# Altium PCB GE21_M1_pku_f100.PcbDoc (part 9 of 19) (continued)
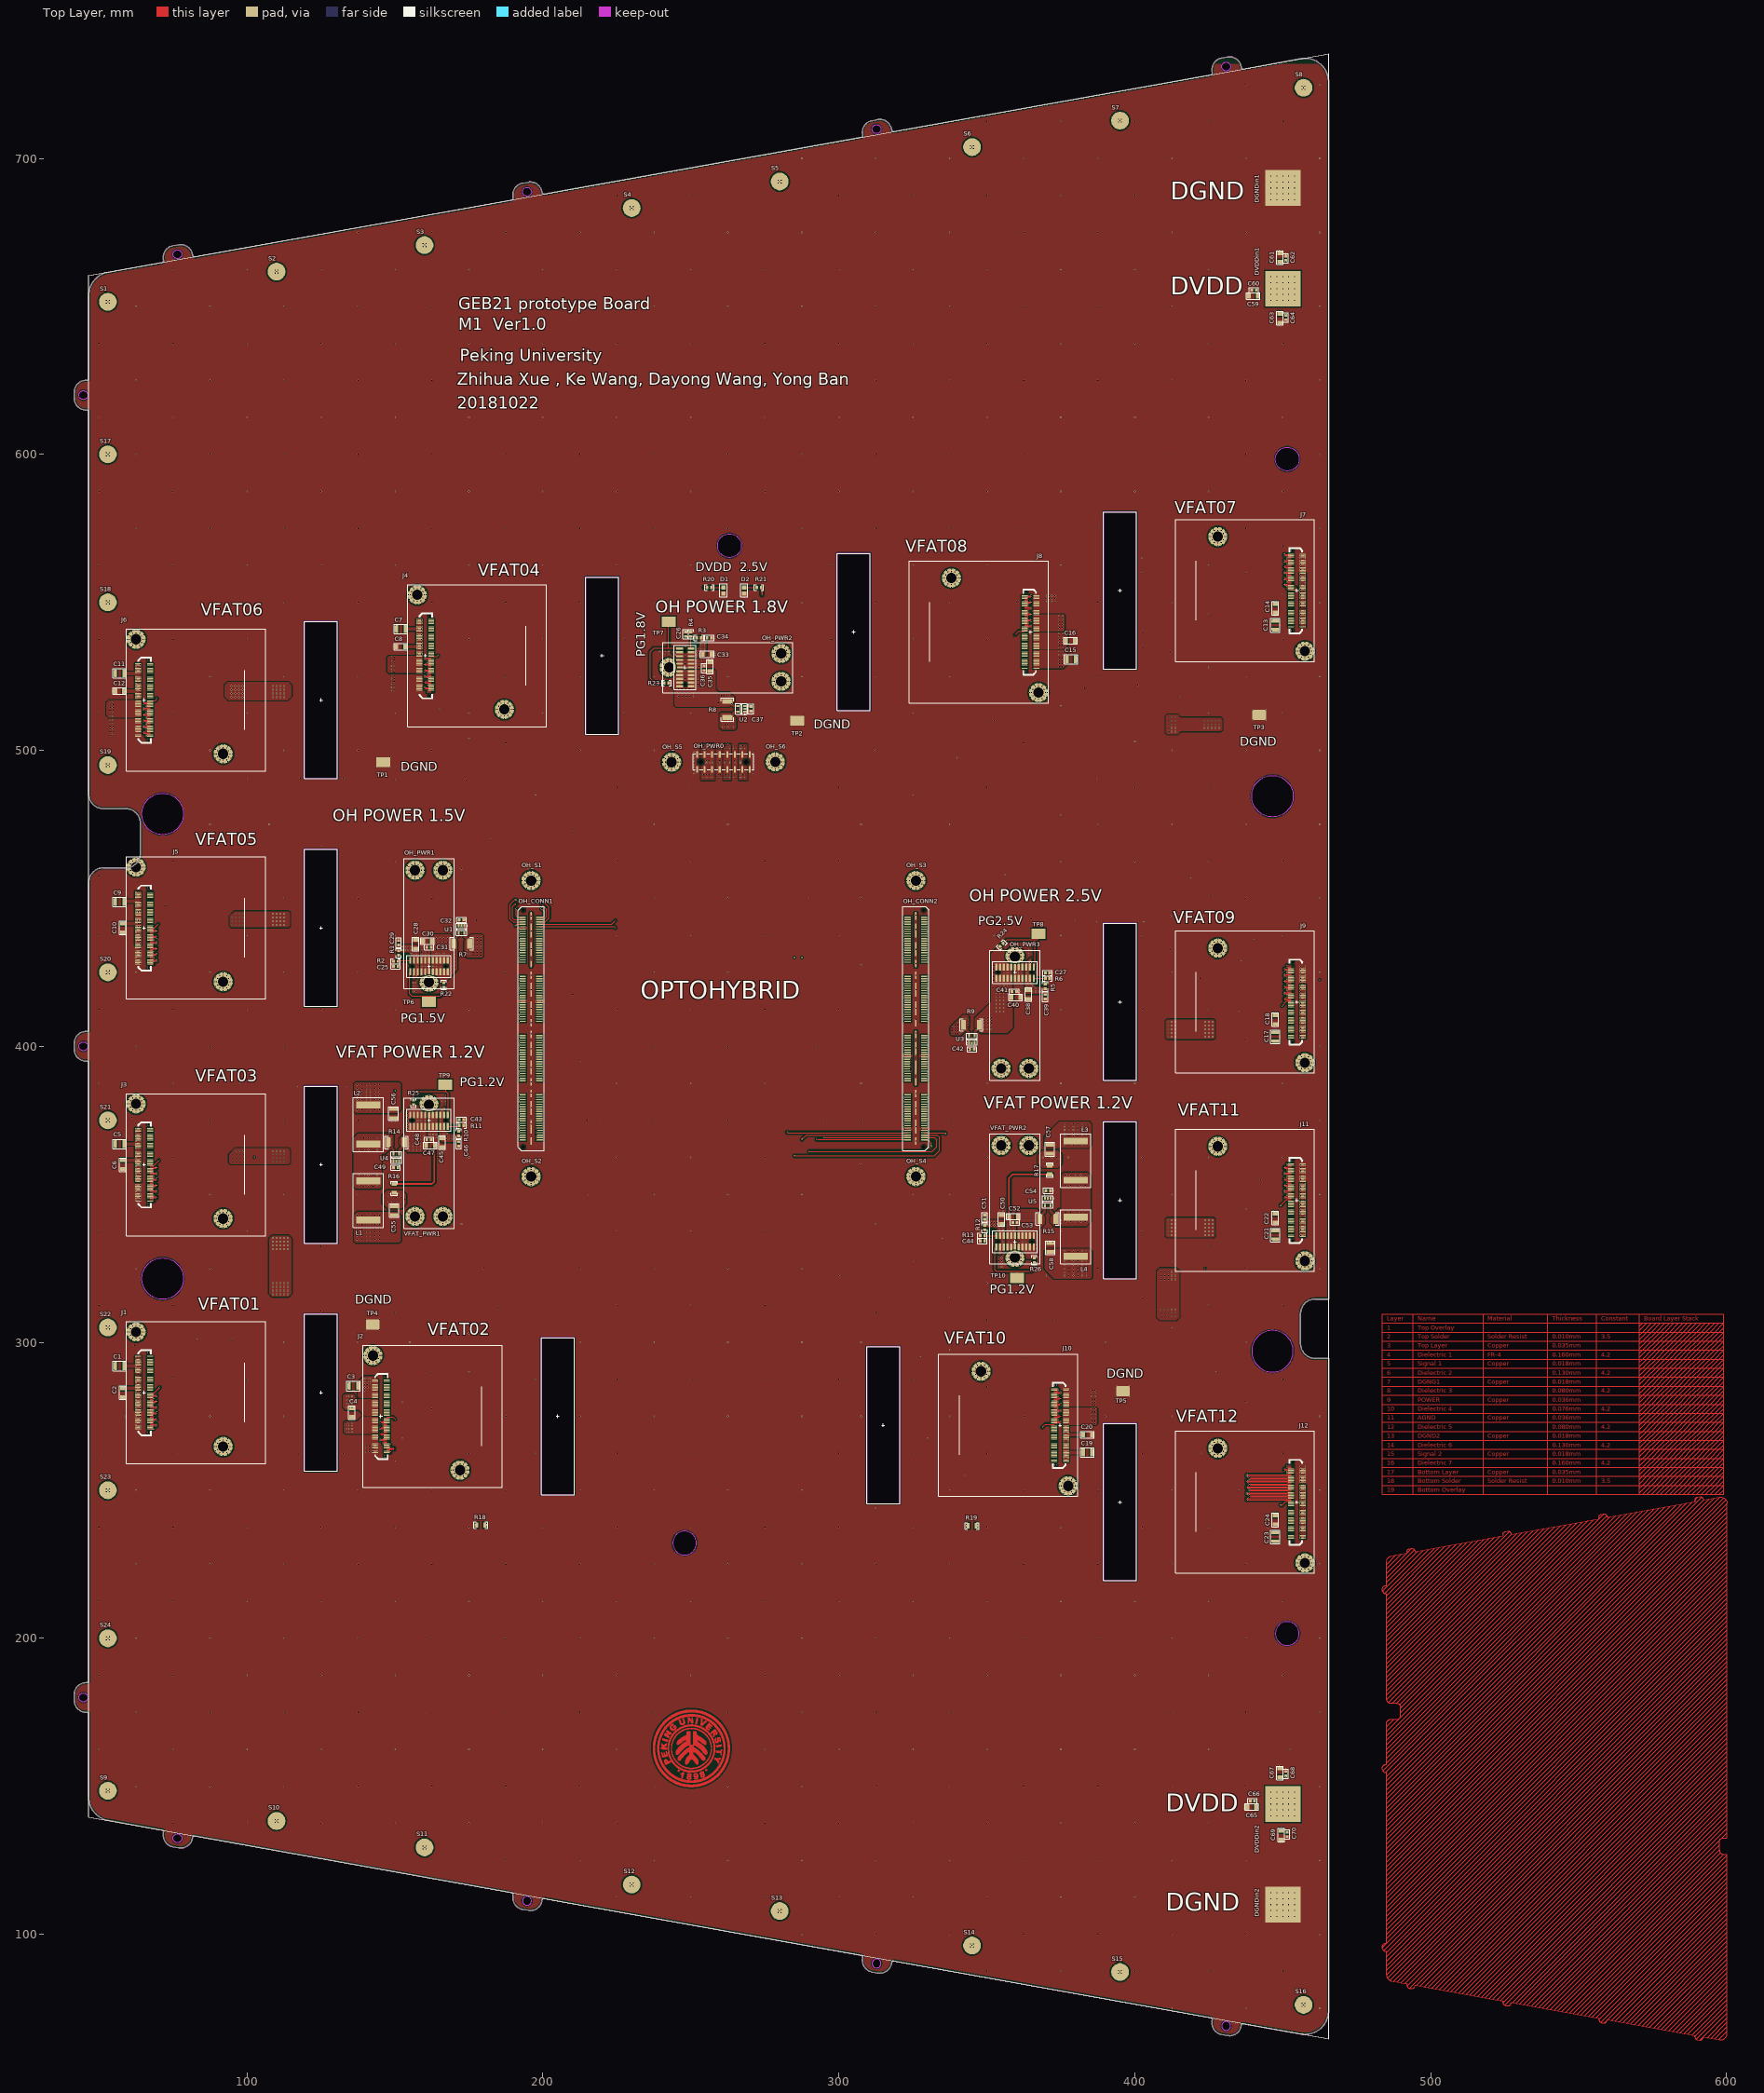
[diagram p0: Top Layer view]
## Nets (pads, with @x,y where several pads share a name; then routed paths per layer and width w, separated by ;. In a path a pad name is that pad's centre, name@x,y a point inside that pad or via, vN(x,y) a via of type N, cw(c..) or ccw(c..) an arc to the next point about the centre after c; other vN are vias at no path point) (continued)
  Top Layer w0.115: v5(437.75,248.7) cw(c438.052,248.398) 438.052,248.825 451.625,248.825 451.7,248.75 J12.62@452.75,248.75
  Signal 2 w0.115: v5(437.75,248.7) cw(c438.052,248.398) 438.052,248.825 442.96,248.825 ccw(c442.96,251.715) 445.85,251.715 445.85,262.948 ccw(c442.96,262.948) 445.004,264.991 ; 445.004,264.991 394.491,315.504 ccw(c392.448,313.46) 392.448,316.35 349.702,316.35 cw(c349.702,318.89) 347.906,317.094 317.744,347.256 cw(c319.54,349.052) 317,349.052 317,373.948 cw(c319.54,373.948) 317.744,375.744 318,376 cw(c319.509,374.491) 319.509,376.625 321.457,376.625 ; 321.457,376.625 cw(c321.457,375.857) v6(322,376.4) ccw(c321.457,375.857) 321.457,376.625
  other v4: 437.68,248.7 437.82,248.7
J12D3_N: J12.68 OH_CONN2.27 | length 230.9
  Top Layer w0.115: v5(438.75,250.3) ccw(c439.052,250.602) 439.052,250.175 451.625,250.175 451.7,250.25 J12.68@452.75,250.25
  Signal 2 w0.115: v6(322,378.8) cw(c321.457,379.343) 321.457,378.575 319.75,378.575 ccw(c319.75,375.75) 317.753,377.747 316.496,376.491 ccw(c318.54,374.448) 315.65,374.448 315.65,348.552 ccw(c318.54,348.552) 316.496,346.509 347.159,315.846 ccw(c349.202,317.89) 349.202,315 391.948,315 cw(c391.948,312.46) 393.744,314.256 443.756,264.244 cw(c441.96,262.448) 444.5,262.448 444.5,252.715 cw(c441.96,252.715) 441.96,250.175 439.052,250.175 cw(c439.052,250.602) v5(438.75,250.3)
  other v4: 438.68,250.3 438.82,250.3
J12D3_P: J12.66 OH_CONN2.25 | length 230.9
  Top Layer w0.115: v5(438.75,249.7) cw(c439.052,249.398) 439.052,249.825 451.625,249.825 451.7,249.75 J12.66@452.75,249.75
  Signal 2 w0.115: v6(322,378) ccw(c321.457,377.457) 321.457,378.225 319.75,378.225 ccw(c319.75,375.75) 318,377.5 316.744,376.244 ccw(c318.54,374.448) 316,374.448 316,348.552 ccw(c318.54,348.552) 316.744,346.756 347.406,316.094 ccw(c349.202,317.89) 349.202,315.35 391.948,315.35 cw(c391.948,312.46) 393.991,314.504 444.004,264.491 ; v5(438.75,249.7) cw(c439.052,249.398) 439.052,249.825 441.96,249.825 ccw(c441.96,252.715) 444.85,252.715 444.85,262.448 ccw(c441.96,262.448) 444.004,264.491
  other v4: 438.68,249.7 438.82,249.7
J12D4_N: J12.72 OH_CONN2.31 | length 232.8
  Top Layer w0.115: v5(437.75,251.3) ccw(c438.052,251.602) 438.052,251.175 451.625,251.175 451.7,251.25 J12.72@452.75,251.25
  Signal 2 w0.115: v6(322,380.4) cw(c321.457,380.943) 321.457,380.175 319.877,380.175 ccw(c319.877,377.285) 317.834,379.329 315.496,376.991 ccw(c317.54,374.948) 314.65,374.948 314.65,348.052 ccw(c317.54,348.052) 315.496,346.009 346.659,314.846 ; 346.659,314.846 ccw(c348.702,316.89) 348.702,314 391.448,314 cw(c391.448,311.46) 393.244,313.256 442.756,263.744 cw(c440.96,261.948) 443.5,261.948 443.5,253.715 cw(c440.96,253.715) 440.96,251.175 438.052,251.175 cw(c438.052,251.602) v5(437.75,251.3)
  other v4: 437.68,251.3 437.82,251.3
J12D4_P: J12.70 OH_CONN2.29 | length 232.8
  Top Layer w0.115: v5(437.75,250.7) cw(c438.052,250.398) 438.052,250.825 451.625,250.825 451.7,250.75 J12.70@452.75,250.75
  Signal 2 w0.115: v6(322,379.6) ccw(c321.457,379.057) 321.457,379.825 319.877,379.825 ccw(c319.877,377.285) 318.081,379.081 315.744,376.744 ccw(c317.54,374.948) 315,374.948 315,348.052 ccw(c317.54,348.052) 315.744,346.256 346.906,315.094 ccw(c348.702,316.89) 348.702,314.35 391.448,314.35 cw(c391.448,311.46) 393.491,313.504 443.004,263.991 cw(c440.96,261.948) 443.85,261.948 443.85,253.715 cw(c440.96,253.715) 440.96,250.825 438.052,250.825 ccw(c438.052,250.398) v5(437.75,250.7)
  other v4: 437.68,250.7 437.82,250.7
J12D5_N: J12.76 OH_CONN2.35 | length 230.8
  Top Layer w0.115: v5(438.75,252.3) ccw(c439.052,252.602) 439.052,252.175 451.625,252.175 451.7,252.25 J12.76@452.75,252.25
  Signal 2 w0.115: 317.934,380.929 314.496,377.491 ccw(c316.54,375.448) 313.65,375.448 313.65,347.552 ccw(c316.54,347.552) 314.496,345.509 346.159,313.846 ccw(c348.202,315.89) 348.202,313 390.948,313 cw(c390.948,310.46) 392.744,312.256 441.756,263.244 cw(c439.96,261.448) 442.5,261.448 442.5,254.715 cw(c439.96,254.715) 439.96,252.175 439.052,252.175 cw(c439.052,252.602) v5(438.75,252.3) ; 317.934,380.929 cw(c319.977,378.885) 319.977,381.775 321.457,381.775 ccw(c321.457,382.543) v6(322,382)
  other v4: 438.68,252.3 438.82,252.3
J12D5_P: J12.74 OH_CONN2.33 | length 230.8
  Top Layer w0.115: v5(438.75,251.7) cw(c439.052,251.398) 439.052,251.825 451.625,251.825 451.7,251.75 J12.74@452.75,251.75
  Signal 2 w0.115: v6(322,381.2) ccw(c321.457,380.657) 321.457,381.425 319.977,381.425 ccw(c319.977,378.885) 318.181,380.681 314.744,377.244 ccw(c316.54,375.448) 314,375.448 314,347.552 ccw(c316.54,347.552) 314.744,345.756 346.406,314.094 ccw(c348.202,315.89) 348.202,313.35 390.948,313.35 cw(c390.948,310.46) 392.991,312.504 442.004,263.491 cw(c439.96,261.448) 442.85,261.448 442.85,254.715 cw(c439.96,254.715) 439.96,251.825 439.052,251.825 ccw(c439.052,251.398) v5(438.75,251.7)
  other v4: 438.68,251.7 438.82,251.7
J12D6_N: J12.80 OH_CONN2.39 | length 232.7
  Top Layer w0.115: v5(437.75,253.3) ccw(c438.052,253.602) 438.052,253.175 451.625,253.175 451.7,253.25 J12.80@452.75,253.25
  Signal 2 w0.115: v6(322,383.6) cw(c321.457,384.143) 321.457,383.375 320.077,383.375 ccw(c320.077,380.485) 318.034,382.529 313.496,377.991 ccw(c315.54,375.948) 312.65,375.948 312.65,347.052 ccw(c315.54,347.052) 313.496,345.009 345.659,312.846 ccw(c347.702,314.89) 347.702,312 390.448,312 cw(c390.448,309.46) 392.244,311.256 440.756,262.744 cw(c438.96,260.948) 441.5,260.948 441.5,255.715 cw(c438.96,255.715) 438.96,253.175 438.052,253.175 cw(c438.052,253.602) v5(437.75,253.3)
  other v4: 437.68,253.3 437.82,253.3
J12D6_P: J12.78 OH_CONN2.37 | length 232.7
  Top Layer w0.115: v5(437.75,252.7) cw(c438.052,252.398) 438.052,252.825 451.625,252.825 451.7,252.75 J12.78@452.75,252.75
  Signal 2 w0.115: v6(322,382.8) ccw(c321.457,382.257) 321.457,383.025 320.077,383.025 ccw(c320.077,380.485) 318.281,382.281 313.744,377.744 ccw(c315.54,375.948) 313,375.948 313,347.052 ccw(c315.54,347.052) 313.744,345.256 345.906,313.094 ccw(c347.702,314.89) 347.702,312.35 390.448,312.35 cw(c390.448,309.46) 392.491,311.504 441.004,262.991 cw(c438.96,260.948) 441.85,260.948 441.85,255.715 cw(c438.96,255.715) 438.96,252.825 438.052,252.825 ccw(c438.052,252.398) v5(437.75,252.7)
  other v4: 437.68,252.7 437.82,252.7
J12D7_N: J12.84 OH_CONN2.43 | length 236.1
  Top Layer w0.115: v5(438.75,254.3) 438.787,254.263 ccw(c439,254.477) 439,254.175 451.625,254.175 451.7,254.25 J12.84@452.75,254.25
  Signal 2 w0.115: v6(322,389.2) cw(c321.457,389.743) 321.457,388.975 318.677,388.975 ccw(c318.677,386.085) 316.634,388.129 312.496,383.991 ccw(c314.54,381.948) 311.65,381.948 311.65,346.552 ccw(c314.54,346.552) 312.496,344.509 345.159,311.846 ccw(c347.202,313.89) 347.202,311 389.948,311 cw(c389.948,308.46) 391.744,310.256 439.756,262.244 cw(c437.96,260.448) 440.5,260.448 440.5,255.425 cw(c439.25,255.425) 439.25,254.175 439.052,254.175 cw(c439.052,254.602) v5(438.75,254.3)
  other v4: 438.68,254.3 438.82,254.3
J12D7_P: J12.82 OH_CONN2.41 | length 236.1
  Top Layer w0.115: v5(438.75,253.7) 438.787,253.737 cw(c439,253.523) 439,253.825 451.625,253.825 451.7,253.75 J12.82@452.75,253.75
  Signal 2 w0.115: v6(322,388.4) ccw(c321.457,387.857) 321.457,388.625 318.677,388.625 ccw(c318.677,386.085) 316.881,387.881 312.744,383.744 ccw(c314.54,381.948) 312,381.948 312,346.552 ccw(c314.54,346.552) 312.744,344.756 345.406,312.094 ccw(c347.202,313.89) 347.202,311.35 389.948,311.35 cw(c389.948,308.46) 391.991,310.504 440.004,262.491 cw(c437.96,260.448) 440.85,260.448 440.85,255.425 cw(c439.25,255.425) 439.25,253.825 439.052,253.825 ccw(c439.052,253.398) v5(438.75,253.7)
  other v4: 438.68,253.7 438.82,253.7
J12D8_N: J12.88 OH_CONN2.47 | length 238.2
  Top Layer w0.115: v5(437.75,255.3) ccw(c438.052,255.602) 438.052,255.175 451.625,255.175 451.7,255.25 J12.88@452.75,255.25
  Signal 2 w0.115: v6(322,390.8) cw(c321.457,391.343) 321.457,390.575 318.777,390.575 ccw(c318.777,387.685) 316.734,389.729 311.496,384.491 ccw(c313.54,382.448) 310.65,382.448 310.65,346.052 ccw(c313.54,346.052) 311.496,344.009 344.659,310.846 ccw(c346.702,312.89) 346.702,310 389.448,310 cw(c389.448,307.46) 391.244,309.256 438.756,261.744 cw(c436.96,259.948) 439.5,259.948 439.5,256.175 cw(c438.5,256.175) 438.5,255.175 438.052,255.175 cw(c438.052,255.602) v5(437.75,255.3)
  other v4: 437.68,255.3 437.82,255.3
J12D8_P: J12.86 OH_CONN2.45 | length 238.2
  Top Layer w0.115: v5(437.75,254.7) cw(c438.052,254.398) 438.052,254.825 451.625,254.825 451.7,254.75 J12.86@452.75,254.75
  Signal 2 w0.115: v6(322,390) ccw(c321.457,389.457) 321.457,390.225 318.777,390.225 ccw(c318.777,387.685) 316.981,389.481 311.744,384.244 ccw(c313.54,382.448) 311,382.448 311,346.052 ccw(c313.54,346.052) 311.744,344.256 344.906,311.094 ccw(c346.702,312.89) 346.702,310.35 389.448,310.35 cw(c389.448,307.46) 391.491,309.504 439.004,261.991 cw(c436.96,259.948) 439.85,259.948 439.85,256.175 cw(c438.5,256.175) 438.5,254.825 438.052,254.825 ccw(c438.052,254.398) v5(437.75,254.7)
  other v4: 437.68,254.7 437.82,254.7
J12Reset: J12.52 OH_CONN2.1 | length 302.2
  Top Layer w0.2: v1(292.5,368.5) 323.035,368.5 OH_CONN2.1@323.135,368.4 ; v1(449.25,245) 449.75,245 451,246.25 J12.52@452.75,246.25
  Signal 1 w0.2: v1(292.5,368.5) 292.5,334.5 330.5,296.5 330.5,270.5 385.5,215.5 411,215.5 440.5,245 v1(449.25,245)
J12RXD_N: J12.96 OH_CONN2.55 | length 234.6
  Top Layer w0.115: v5(450.5,257.3) ccw(c450.802,257.602) 450.802,257.175 451.625,257.175 451.7,257.25 J12.96@452.75,257.25
  Signal 1 w0.115: v6@324.25,394 ccw(c324.793,394.543) 324.793,393.775 326.575,393.775 cw(c326.575,392.5) 327.85,392.5 327.85,387.5 ccw(c328.85,387.5) 328.85,386.5 331.053,386.5 cw(c331.053,383.61) 333.096,385.654 334.568,384.182 ccw(c334.715,384.329) 334.862,384.182 334.941,384.262 cw(c335.336,383.867) 335.731,384.262 335.866,384.126 cw(c335.472,383.731) 336.03,383.731 cw(c335.472,383.731) 335.866,383.337 335.787,383.257 ccw(c335.934,383.11) 335.787,382.963 339.006,379.744 ccw(c340.802,381.54) 340.802,379 403.298,379 cw(c403.298,376.11) 405.341,378.154 432.004,351.491 cw(c429.96,349.448) 432.85,349.448 432.85,273.702 ccw(c435.39,273.702) 433.594,271.906 447.581,257.919 ccw(c449.377,259.715) 449.377,257.175 450.198,257.175 ccw(c450.198,257.602) v5(450.5,257.3)
  other v4: 450.43,257.3 450.57,257.3
  other v6: 324.25,394
J12RXD_P: J12.94 OH_CONN2.53 | length 234.6
  Top Layer w0.115: v5(450.5,256.7) cw(c450.802,256.398) 450.802,256.825 451.625,256.825 451.7,256.75 J12.94@452.75,256.75
  Signal 1 w0.115: v6(324.25,393.2) cw(c324.793,392.657) 324.793,393.425 326.575,393.425 cw(c326.575,392.5) 327.5,392.5 327.5,387.5 ccw(c328.85,387.5) 328.85,386.15 331.053,386.15 cw(c331.053,383.61) 332.849,385.406 334.32,383.935 ccw(c334.715,384.329) 335.11,383.935 335.189,384.014 cw(c335.336,383.867) 335.483,384.014 335.619,383.879 cw(c335.472,383.731) 335.68,383.731 cw(c335.472,383.731) 335.619,383.584 335.54,383.505 ccw(c335.934,383.11) 335.54,382.715 338.759,379.496 ccw(c340.802,381.54) 340.802,378.65 403.298,378.65 cw(c403.298,376.11) 405.094,377.906 431.756,351.244 cw(c429.96,349.448) 432.5,349.448 432.5,273.702 ccw(c435.39,273.702) 433.346,271.659 447.334,257.671 ccw(c449.377,259.715) 449.377,256.825 450.198,256.825 cw(c450.198,256.398) v5(450.5,256.7)
  other v4: 450.43,256.7 450.57,256.7
J12Strobe_N: J12.56 OH_CONN2.15 | length 231.9
  Top Layer w0.115: v5(437.75,247.3) ccw(c438.052,247.602) 438.052,247.175 451.625,247.175 451.7,247.25 J12.56@452.75,247.25
  Signal 2 w0.115: v6(322,374) cw(c321.457,374.543) 321.457,373.775 321,373.775 ccw(c321,372.037) 319.771,373.266 319.496,372.991 ccw(c321.54,370.948) 318.65,370.948 318.65,350.052 ccw(c321.54,350.052) 319.496,348.009 348.659,318.846 ccw(c350.702,320.89) 350.702,318 393.448,318 cw(c393.448,315.46) 395.244,317.256 446.756,265.744 cw(c444.96,263.948) 447.5,263.948 447.5,249.715 cw(c444.96,249.715) 444.96,247.175 438.052,247.175 cw(c438.052,247.602) v5(437.75,247.3)
  other v4: 437.68,247.3 437.82,247.3
J12Strobe_P: J12.54 OH_CONN2.13 | length 231.9
  Top Layer w0.115: v5(437.75,246.7) cw(c438.052,246.398) 438.052,246.825 451.625,246.825 451.7,246.75 J12.54@452.75,246.75
  Signal 2 w0.115: v6(322,373.2) ccw(c321.457,372.657) 321.457,373.425 321,373.425 ccw(c321,372.037) 320.018,373.018 319.744,372.744 ccw(c321.54,370.948) 319,370.948 319,350.052 ccw(c321.54,350.052) 319.744,348.256 348.906,319.094 ccw(c350.702,320.89) 350.702,318.35 393.448,318.35 cw(c393.448,315.46) 395.491,317.504 447.004,265.991 cw(c444.96,263.948) 447.85,263.948 447.85,249.715 cw(c444.96,249.715) 444.96,246.825 438.052,246.825 ccw(c438.052,246.398) v5(437.75,246.7)
  other v4: 437.68,246.7 437.82,246.7
J12TXD_N: J12.92 OH_CONN2.51 | length 232.2
  Top Layer w0.25: v5(451.5,256.3) 451.55,256.25 J12.92@452.75,256.25
  Signal 1 w0.115: v6(324.25,392.4) ccw(c324.793,392.943) 324.793,392.175 325.675,392.175 cw(c325.675,391) 326.85,391 326.85,387.5 ccw(c328.85,387.5) 328.85,385.5 329.803,385.5 cw(c329.803,382.61) 331.846,384.654 337.756,378.744 ccw(c339.552,380.54) 339.552,378 402.298,378 cw(c402.298,375.11) 404.341,377.154 431.004,350.491 cw(c428.96,348.448) 431.85,348.448 431.85,273.202 ccw(c434.39,273.202) 432.594,271.406 447.081,256.919 ccw(c448.877,258.715) 448.877,256.175 451.198,256.175 ccw(c451.198,256.602) v5(451.5,256.3)
  other v4: 451.43,256.3
J12TXD_P: J12.90 OH_CONN2.49 | length 232.2
  Top Layer w0.25: v5(451.5,255.7) 451.55,255.75 J12.90@452.75,255.75
  Signal 1 w0.115: v6(324.25,391.6) cw(c324.793,391.057) 324.793,391.825 325.675,391.825 cw(c325.675,391) 326.5,391 326.5,387.5 ccw(c328.85,387.5) 328.85,385.15 329.803,385.15 cw(c329.803,382.61) 331.599,384.406 337.509,378.496 ccw(c339.552,380.54) 339.552,377.65 402.298,377.65 cw(c402.298,375.11) 404.094,376.906 430.756,350.244 cw(c428.96,348.448) 431.5,348.448 431.5,273.202 ccw(c434.39,273.202) 432.346,271.159 446.834,256.671 ccw(c448.877,258.715) 448.877,255.825 451.198,255.825 cw(c451.198,255.398) v5(451.5,255.7)
  other v4: 451.43,255.7
Monitor1: OH_CONN1.7 U2.2 | length 132.5
  Top Layer w0.2: OH_CONN1.7@198.865,441.2 223.2,441.2 v1(224.5,442.5)
  Signal 1 w0.2: v1(224.5,442.5) 236.25,454.25 236.25,511.5 238.75,514 v1(267.7,514)
Monitor2: OH_CONN1.8 U1.2 | length 21.6
  Top Layer w0.2: v1(190.75,440.75) 191.2,441.2 OH_CONN1.8@193.135,441.2
  Signal 1 w0.2: v1(172.5,440.1) 172.5,440 173,439.5 180.5,439.5 181.75,440.75 v1(190.75,440.75)
Monitor3: OH_CONN1.9 U3.2 | length 172.7
  Top Layer w0.2: OH_CONN1.9@198.865,440.4 224.1,440.4 v1(224.5,440)
  Signal 1 w0.2: v1(224.5,440) 238.5,426 326.5,426 327.5,425 327.5,408.5 329,407 336,407 339,404 344.25,404 345,403.25 v1(345,401.75)
Monitor4: OH_CONN2.7 U4.2 | length 200.3
  Top Layer w0.2: v1(282.5,371) 282.7,370.8 OH_CONN2.7@323.135,370.8
  Signal 1 w0.2: v1(150.5,361.8) 150.5,362.25 150.75,362.5 172.25,362.5 175.5,365.75 175.5,384.75 176.75,386 261.25,386 276.25,371 v1(282.5,371)
Monitor5: OH_CONN2.8 U5.2 | length 52.3
  Top Layer w0.2: OH_CONN2.8@328.865,370.8 335.7,370.8 v1(336,370.5)
  Signal 1 w0.2: v1(336,370.5) 353.25,353.25 369.5,353.25 370.5,352.25 v1(370.5,349.25)
NetC25_1: C25.1 OH_PWR1.12 R1.2 R2.1 | length 8.1
  Top Layer w0.2: C25.1@151,427 151.25,427.25 R2.1@151.25,429 ; R2.1@151,428.75 R2.1@151.25,429 ; R1.2@151.25,430.75 R2.1@151.25,429 ; OH_PWR1.12@155.15,429.032 151.282,429.032 R2.1@151.25,429
NetC26_1: C26.1 OH_PWR2.12 R3.2 R4.1 | length 8.1
  Top Layer w0.2: C26.1@248.25,538.5 R4.1@250,538.5 ; OH_PWR2.12@250.032,534.35 250,534.382 R4.1@250,538.5 ; R3.2@252,538 251.5,538.5 R4.1@250,538.5
NetC27_1: C27.1 OH_PWR3.12 R5.2 R6.1 | length 7.5
  Top Layer w0.2: OH_PWR3.12@365.85,422.968 R6.1@369.5,422.968 ; R5.2@369.5,421 R6.1@369.5,422.968 ; C27.1@369.75,424.75 369.5,424.5 R6.1@369.5,422.968
NetC43_1: C43.1 R10.2 R11.1 VFAT_PWR1.12 | length 7.8
  Top Layer w0.2: VFAT_PWR1.12@167.85,372.968 171.468,372.968 R11.1@171.5,373 ; R10.2@171.5,371.25 R11.1@171.5,373 ; C43.1@171.75,375.25 171.5,375 R11.1@171.5,373
NetC44_1: C44.1 R12.2 R13.1 VFAT_PWR2.12 | length 7.9
  Top Layer w0.2: C44.1@349.25,334.25 349.5,334.5 R13.1@349.5,336.032 ; R13.1@349.25,336.25 349.468,336.032 R13.1@349.5,336.032 ; R13.1@349.5,336.25 R12.2@349.5,338.25 ; VFAT_PWR2.12@353.15,336.032 R13.1@349.5,336.032
NetD1_2: D1.2 R20.2 | length 4
  Top Layer w0.254: R20.2@257,555 D1.2@261,555
NetD2_2: D2.2 R21.2 | length 4.2
  Top Layer w0.254: D2.2@268,555 R21.2@272.25,555
OH1V5: C30.1 C31.1 OH_PWR1.7 OH_PWR1.8 OH_PWR1.9 OH_PWR1.10 OH_PWR1.11 OH_PWR1.18 OH_PWR1.19 OH_PWR1.20 OH_PWR1.21 OH_PWR1.22 R7.1 R22.2 U1.4
  other v3: 168.75,424.75 168.75,426 170,426 162.9,427.1 164.1,427.1 165.3,427.1 168.75,427.25 170,427.25 168.75,428.5 170,428.5 168.75,429.75 170,429.75 168.75,431 170,431 164,431.5 165.2,431.5 166.5,431.5 168.75,432.25 170,432.25 164,432.75 165.25,432.75 166.5,432.75 167.75,432.75 164,434 165.25,434 166.5,434 167.75,434 164,435.25 165.25,435.25 166.5,435.25 167.75,435.25 164,436.5 165.25,436.5 166.5,436.5 167.75,436.5 170.5,436.5
OH1V8: C35.1 C36.1 OH_PWR2.7 OH_PWR2.8 OH_PWR2.9 OH_PWR2.10 OH_PWR2.11 OH_PWR2.18 OH_PWR2.19 OH_PWR2.20 OH_PWR2.21 OH_PWR2.22 R8.1 R23.2 U2.4
  other v3: 263.75,515.75 259.25,516 259.25,517.25 245.75,518.25 247,518.25 248.25,518.25 249.5,518.25 250.75,518.25 259.25,518.5 260.25,518.5 261.25,518.5 262.25,518.5 263.25,518.5 245.75,519.5 247,519.5 248.25,519.5 249.5,519.5 250.75,519.5 245.75,520.75 247,520.75 248.25,520.75 249.5,520.75 250.75,520.75 252.5,521.2 253.7,521.2 252.5,522.4 253.7,522.4 252.5,523.6 253.7,523.6 248.1,524.2 252.5,524.8 253.7,524.8 248.1,525.4 252.5,526 253.7,526 248.1,526.6
OH2V5: C40.1 C41.1 OH_PWR3.7 OH_PWR3.8 OH_PWR3.9 OH_PWR3.10 OH_PWR3.11 OH_PWR3.18 OH_PWR3.19 OH_PWR3.20 OH_PWR3.21 OH_PWR3.22 R9.1 R24.2 U3.4
  other v3: 346.5,405.5 349,405.75 350.25,405.75 351.5,405.75 349,406.75 350.25,406.75 351.5,406.75 349,407.75 350.25,407.75 351.5,407.75 349,408.75 350.25,408.75 351.5,408.75 349,409.75 350.25,409.75 351.5,409.75 353.25,411.75 354.5,411.75 355.75,411.75 353.25,413 354.5,413 355.75,413 353.25,414.25 354.5,414.25 355.75,414.25 353.25,415.5 354.5,415.5 355.75,415.5 353.25,416.75 354.5,416.75 355.75,416.75 353.25,418 354.5,418 355.75,418 357,418 353.25,419.25 354.5,419.25 355.75,419.25 357,419.25 352.25,419.75 354.5,420.5 355.8,420.5 357,420.5 352.25,421 352.25,422.25 352.25,423.5 352.25,424.75 355.7,424.9 356.9,424.9 358.1,424.9 352.25,426 352.25,427.25
PG1V5: OH_PWR1.1 R22.1 TP6.1 | length 23.8
  Top Layer w0.254: OH_PWR1.1@155.15,425.218 155,425.068 155,417.75 155.75,417 161.5,417 ; TP6.1@161.5,415 161.5,417 ; R22.1@166.5,420 166.5,418 165.5,417 161.5,417
PG1V8: OH_PWR2.1 R23.1 TP7.1 | length 33.6
  Top Layer w0.254: R23.1@241,522.75 237.75,522.75 236.25,524.25 236.25,533.25 237.5,534.5 242.5,534.5 ; TP7.1@242.5,543.5 242.5,534.5 ; OH_PWR2.1@245.868,534.25 245.618,534.5 242.5,534.5
PG2V5: OH_PWR3.1 R24.1 TP8.1 | length 23.4
  Top Layer w0.254: R24.1@355.625,434.875 356.75,436 366.25,436 ; OH_PWR3.1@365.85,426.782 366.25,427.182 366.25,436 ; TP8.1@367.5,438 367.5,436.5 367,436 366.25,436
PGVFAT1: R25.1 TP9.1 VFAT_PWR1.1 | length 24.1
  Top Layer w0.2: R25.1@156.25,381.75 156.25,383.75 157.25,384.75 167.25,384.75 ; TP9.1@167,387 167.25,386.75 167.25,384.75 ; VFAT_PWR1.1@167.85,376.782 168,376.932 168,384 167.25,384.75
PGVFAT2: R26.1 TP10.1 VFAT_PWR2.1 | length 26.2
  Top Layer w0.254: VFAT_PWR2.1@353.15,332.218 352.75,331.818 352.75,324.5 353.25,324 360.25,324 ; TP10.1@360.25,321.75 360.25,324 ; R26.1@366,327 366,324.75 365.25,324 360.25,324
PWR1V5: OH_CONN1.161 OH_CONN1.162 OH_CONN1.163 OH_CONN1.164 OH_PWR0.11 OH_PWR0.12 OH_PWR0.13 OH_PWR0.14 R7.2 U1.5
  other v3: 196,429 176.5,430.75 177.75,430.75 179,430.75 174.25,431.25 175.25,431.25 176.5,431.75 177.75,431.75 179,431.75 174.25,432.25 175.25,432.25 176.5,432.75 177.75,432.75 179,432.75 196,433 176.5,433.75 177.75,433.75 179,433.75 176.5,434.75 177.75,434.75 179,434.75 176.5,435.75 177.75,435.75 179,435.75 174.5,436.25 176.5,436.75 177.75,436.75 179,436.75 196,439 196,444 254.25,490.75 255.25,490.75 256.25,490.75 257.25,490.75 254.25,491.75 255.25,491.75 256.25,491.75 257.25,491.75 255.25,495.75 256.25,495.75 257.25,495.75 255.25,496.5 256.25,496.5 257.25,496.5 254.25,500.5 255.25,500.5 256.25,500.5 257.25,500.5 254.25,501.5 255.25,501.5 256.25,501.5 257.25,501.5
PWR1V8: OH_CONN2.173 OH_CONN2.174 OH_CONN2.175 OH_CONN2.176 OH_PWR0.7 OH_PWR0.8 R8.2 U2.5
  other v3: 326,428 326,432.75 326,439.5 326,444.25 261.5,490.75 262.25,490.75 263,490.75 261.5,491.75 262.25,491.75 263,491.75 261.5,495.75 263,495.75 261.5,496.5 263,496.5 261.5,500.5 262.25,500.5 263,500.5 261.5,501.5 262.25,501.5 263,501.5 260.5,507.75 261.5,507.75 262.5,507.75 263.5,507.75 264.5,507.75 260.5,508.75 261.5,508.75 262.5,508.75 263.5,508.75 264.5,508.75 260.5,509.75 261.5,509.75 262.5,509.75 263.5,509.75 264.5,509.75 263.925,512.05
PWR2V5: OH_CONN2.165 OH_CONN2.166 OH_CONN2.167 OH_CONN2.168 OH_PWR0.3 OH_PWR0.4 R9.2 R21.1 U3.5 | length 56.3
  Top Layer w0.508: R21.1@273.75,555 274,554.75 v1(274,552.5)
  Signal 1 w0.508: v3(267.5,501.5) 267.5,504.25 274,510.75 v1(274,552.5)
  other v3: 326,397 326,399.5 326,402 338.25,404.25 339.25,404.25 340.25,404.25 326,404.5 341.25,404.75 338.25,405.25 339.25,405.25 340.25,405.25 343,405.75 338.25,406.25 339.25,406.25 340.25,406.25 343.75,406.5 339.25,407.25 340.25,407.25 343.75,407.5 340.25,408.25 343.75,408.5 341.75,409.5 342.75,409.5 343.75,409.5 266.75,490.75 267.5,490.75 268.25,490.75 266.75,491.75 267.5,491.75 268.25,491.75 266.75,495.75 266.75,496.5 266.75,500.5 267.5,500.5 268.25,500.5 266.75,501.5 268.25,501.5
SHIELD_NET: R18.1 R19.1 S1.1 S2.1 S3.1 S4.1 S5.1 S6.1 S7.1 S8.1 S9.1 S10.1 S11.1 S12.1 S13.1 S14.1 S15.1 S16.1 S17.1 S18.1 S19.1 S20.1 S21.1 S22.1 S23.1 S24.1
  other v1: 343,237.5 181,237.75 343,238.5 181,238.75
  other v8: 456.5,75.646 457.5,75.646 456.5,76.646 457.5,76.646 394.5,86.746 395.5,86.746 394.5,87.746 395.5,87.746 344.5,95.697 345.5,95.697 344.5,96.697 345.5,96.697 279.5,107.334 280.5,107.334 279.5,108.334 280.5,108.334 229.5,116.286 230.5,116.286 229.5,117.286 230.5,117.286 159.5,128.818 160.5,128.818 159.5,129.818 160.5,129.818 109.5,137.769 110.5,137.769 109.5,138.769 110.5,138.769 52.5,147.973 53.5,147.973 52.5,148.973 53.5,148.973 52.5,199.5 53.5,199.5 52.5,200.5 53.5,200.5 52.5,249.5 53.5,249.5 52.5,250.5 53.5,250.5 52.5,304.5 53.5,304.5 52.5,305.5 53.5,305.5 52.5,374.5 53.5,374.5 52.5,375.5 53.5,375.5 52.5,424.5 53.5,424.5 52.5,425.5 53.5,425.5 52.5,494.5 53.5,494.5 52.5,495.5 53.5,495.5 52.5,549.5 53.5,549.5 52.5,550.5 53.5,550.5 52.5,599.5 53.5,599.5 52.5,600.5 53.5,600.5 52.5,651.027 53.5,651.027 52.5,652.027 53.5,652.027 109.5,661.231 110.5,661.231 109.5,662.231 110.5,662.231 159.5,670.182 160.5,670.182 159.5,671.182 160.5,671.182 229.5,682.714 230.5,682.714 229.5,683.714 230.5,683.714 279.5,691.666 280.5,691.666 279.5,692.666 280.5,692.666 344.5,703.303 345.5,703.303 344.5,704.303 345.5,704.303 394.5,712.254 395.5,712.254 394.5,713.254 395.5,713.254 456.5,723.354 457.5,723.354 456.5,724.354 457.5,724.354
VFAT1: C47.1 C48.1 R14.1 R25.2 U4.4 VFAT_PWR1.7 VFAT_PWR1.8 VFAT_PWR1.9 VFAT_PWR1.10 VFAT_PWR1.11 VFAT_PWR1.18 VFAT_PWR1.19 VFAT_PWR1.20 VFAT_PWR1.21 VFAT_PWR1.22
  other v3: 154.75,365 156,365 157.25,365 158.5,365 152.5,366 154.75,366.25 156,366.25 157.25,366.25 158.5,366.25 154.75,367.5 156,367.5 157.25,367.5 158.5,367.5 154.75,368.75 156,368.75 157.25,368.75 158.5,368.75 159.75,368.75 154.75,370 156,370 157.25,370 158.5,370 159.75,370 154.75,371.25 156,371.25 157.25,371.25 158.5,371.25 159.75,371.25 154.25,372.25 154.25,373.5 154.25,374.75 157.7,374.9 158.9,374.9 160.1,374.9 154.25,376 154.25,377.25
VFAT2: C52.1 C53.1 R15.1 R26.2 U5.4 VFAT_PWR2.7 VFAT_PWR2.8 VFAT_PWR2.9 VFAT_PWR2.10 VFAT_PWR2.11 VFAT_PWR2.18 VFAT_PWR2.19 VFAT_PWR2.20 VFAT_PWR2.21 VFAT_PWR2.22
  other v3: 366.75,331.75 366.75,333 360.9,334.1 362.1,334.1 363.3,334.1 366.75,334.25 366.75,335.5 366.75,336.75 361.25,337.75 362.5,337.75 363.75,337.75 365,337.75 366.25,337.75 361.25,339 362.5,339 363.75,339 365,339 366.25,339 361.25,340.25 362.5,340.25 363.75,340.25 365,340.25 366.25,340.25 362.5,341.5 363.75,341.5 365,341.5 366.25,341.5 362.5,342.75 363.75,342.75 365,342.75 366.25,342.75 368.75,343.25 362.5,344 363.75,344 365,344 366.25,344
VFATAGND1: C1.2 C3.2 C5.2 C7.2 C9.2 C11.2 C55.2 J1.51 J1.53 J1.55 J1.57 J1.59 J1.61 J1.63 J1.65 J1.67 J1.69 J1.71 J1.73 J2.51 J2.53 J2.55 J2.57 J2.59 J2.61 J2.63 J2.65 J2.67 J2.69 J2.71 J2.73 J3.51 J3.53 J3.55 J3.57 J3.59 J3.61 J3.63 J3.65 J3.67 J3.69 J3.71 J3.73 J4.51 J4.53 J4.55 J4.57 J4.59 J4.61 J4.63 J4.65 J4.67 J4.69 J4.71 J4.73 J5.51 J5.53 J5.55 J5.57 J5.59 J5.61 J5.63 J5.65 J5.67 J5.69 J5.71 J5.73 J6.51 J6.53 J6.55 J6.57 J6.59 J6.61 J6.63 J6.65 J6.67 J6.69 J6.71 J6.73 R16.2 R18.2
  other v1: 177,237.75 177,238.75 133.5,269.75 134.5,269.75 135.5,269.75 133.5,270.75 134.5,270.75 135.5,270.75 133.5,271.75 134.5,271.75 135.5,271.75 133.5,272.75 134.5,272.75 135.5,272.75 62.5,277.5 64,277.5 62.5,278.5 64,278.5 62.5,279.5 64,279.5 62.5,280.5 64,280.5 62.5,281.5 64,281.5 62.5,282.5 64,282.5 134,284 134,286.5 55,290.75 55,293.25 146.25,348.25 153.25,348.25 62.5,354.5 64,354.5 62.5,355.5 64,355.5 62.5,356.5 64,356.5 62.5,357.5 64,357.5 62.5,358.5 64,358.5 62.5,359.5 64,359.5 55,365.75 55,368.25 62.5,434.5 64,434.5 62.5,435.5 64,435.5 62.5,436.5 64,436.5 62.5,437.5 64,437.5 62.5,438.5 64,438.5 62.5,439.5 64,439.5 55,447.5 55,450 53.75,511.5 54.75,511.5 53.75,512.5 54.75,512.5 53.75,513.5 54.75,513.5 53.75,514.5 54.75,514.5 53.75,515.5 54.75,515.5 53.75,516.5 54.75,516.5 55,524.75 148.75,526.5 149.75,526.5 55,527.25 148.75,527.5 149.75,527.5 148.75,528.5 149.75,528.5 148.75,529.5 149.75,529.5 148.75,530.5 149.75,530.5 148.75,531.5 149.75,531.5 150,539.75 150,542.25
  other v3: 148,346.25 151.5,346.25 147.5,347.5 149,347.5 150.5,347.5 152,347.5 147.5,349 149,349 150.5,349 152,349 148.25,350.5 151.25,350.5
VFATAGND2: C13.2 C15.2 C17.2 C19.2 C21.2 C23.2 C57.2 J7.51 J7.53 J7.55 J7.57 J7.59 J7.61 J7.63 J7.65 J7.67 J7.69 J7.71 J7.73 J8.51 J8.53 J8.55 J8.57 J8.59 J8.61 J8.63 J8.65 J8.67 J8.69 J8.71 J8.73 J9.51 J9.53 J9.55 J9.57 J9.59 J9.61 J9.63 J9.65 J9.67 J9.69 J9.71 J9.73 J10.51 J10.53 J10.55 J10.57 J10.59 J10.61 J10.63 J10.65 J10.67 J10.69 J10.71 J10.73 J11.51 J11.53 J11.55 J11.57 J11.59 J11.61 J11.63 J11.65 J11.67 J11.69 J11.71 J11.73 J12.51 J12.53 J12.55 J12.57 J12.59 J12.61 J12.63 J12.65 J12.67 J12.69 J12.71 J12.73 R17.2 R19.2
  other v1: 446.25,232.25 448.75,232.25 347,237.5 347,238.5 456,246.5 457.5,246.5 456,247.5 457.5,247.5 456,248.5 457.5,248.5 456,249.5 457.5,249.5 456,250.5 457.5,250.5 456,251.5 457.5,251.5 386,261.5 386,264 385.5,272.5 386.5,272.5 385.5,273.5 386.5,273.5 385.5,274.5 386.5,274.5 385.5,275.5 386.5,275.5 385.5,276.5 386.5,276.5 385.5,277.5 386.5,277.5 446.25,334.25 448.75,334.25 456,348.5 457.5,348.5 456,349.5 457.5,349.5 456,350.5 457.5,350.5 456,351.5 457.5,351.5 456,352.5 457.5,352.5 456,353.5 457.5,353.5 368,361.75 374.5,361.75 446.25,401.25 448.75,401.25 456,415.5 457.5,415.5 456,416.5 457.5,416.5 456,417.5 457.5,417.5 456,418.5 457.5,418.5 456,419.5 457.5,419.5 456,420.5 457.5,420.5 380.5,529.5 380.5,532 446.25,540.25 448.75,540.25 374.5,540.5 375.5,540.5 374.5,541.5 375.5,541.5 374.5,542.5 375.5,542.5 374.5,543.5 375.5,543.5 374.5,544.5 375.5,544.5 374.5,545.5 375.5,545.5 456,554.5 457.5,554.5 456,555.5 457.5,555.5 456,556.5 457.5,556.5 456,557.5 457.5,557.5 456,558.5 457.5,558.5 456,559.5 457.5,559.5
  other v3: 369.75,359.75 372.75,359.75 369,361 370.5,361 372,361 373.5,361 369,362.5 370.5,362.5 372,362.5 373.5,362.5 369.5,364 373,364